# KiCad board kharon386_main.kicad_pcb (continued)
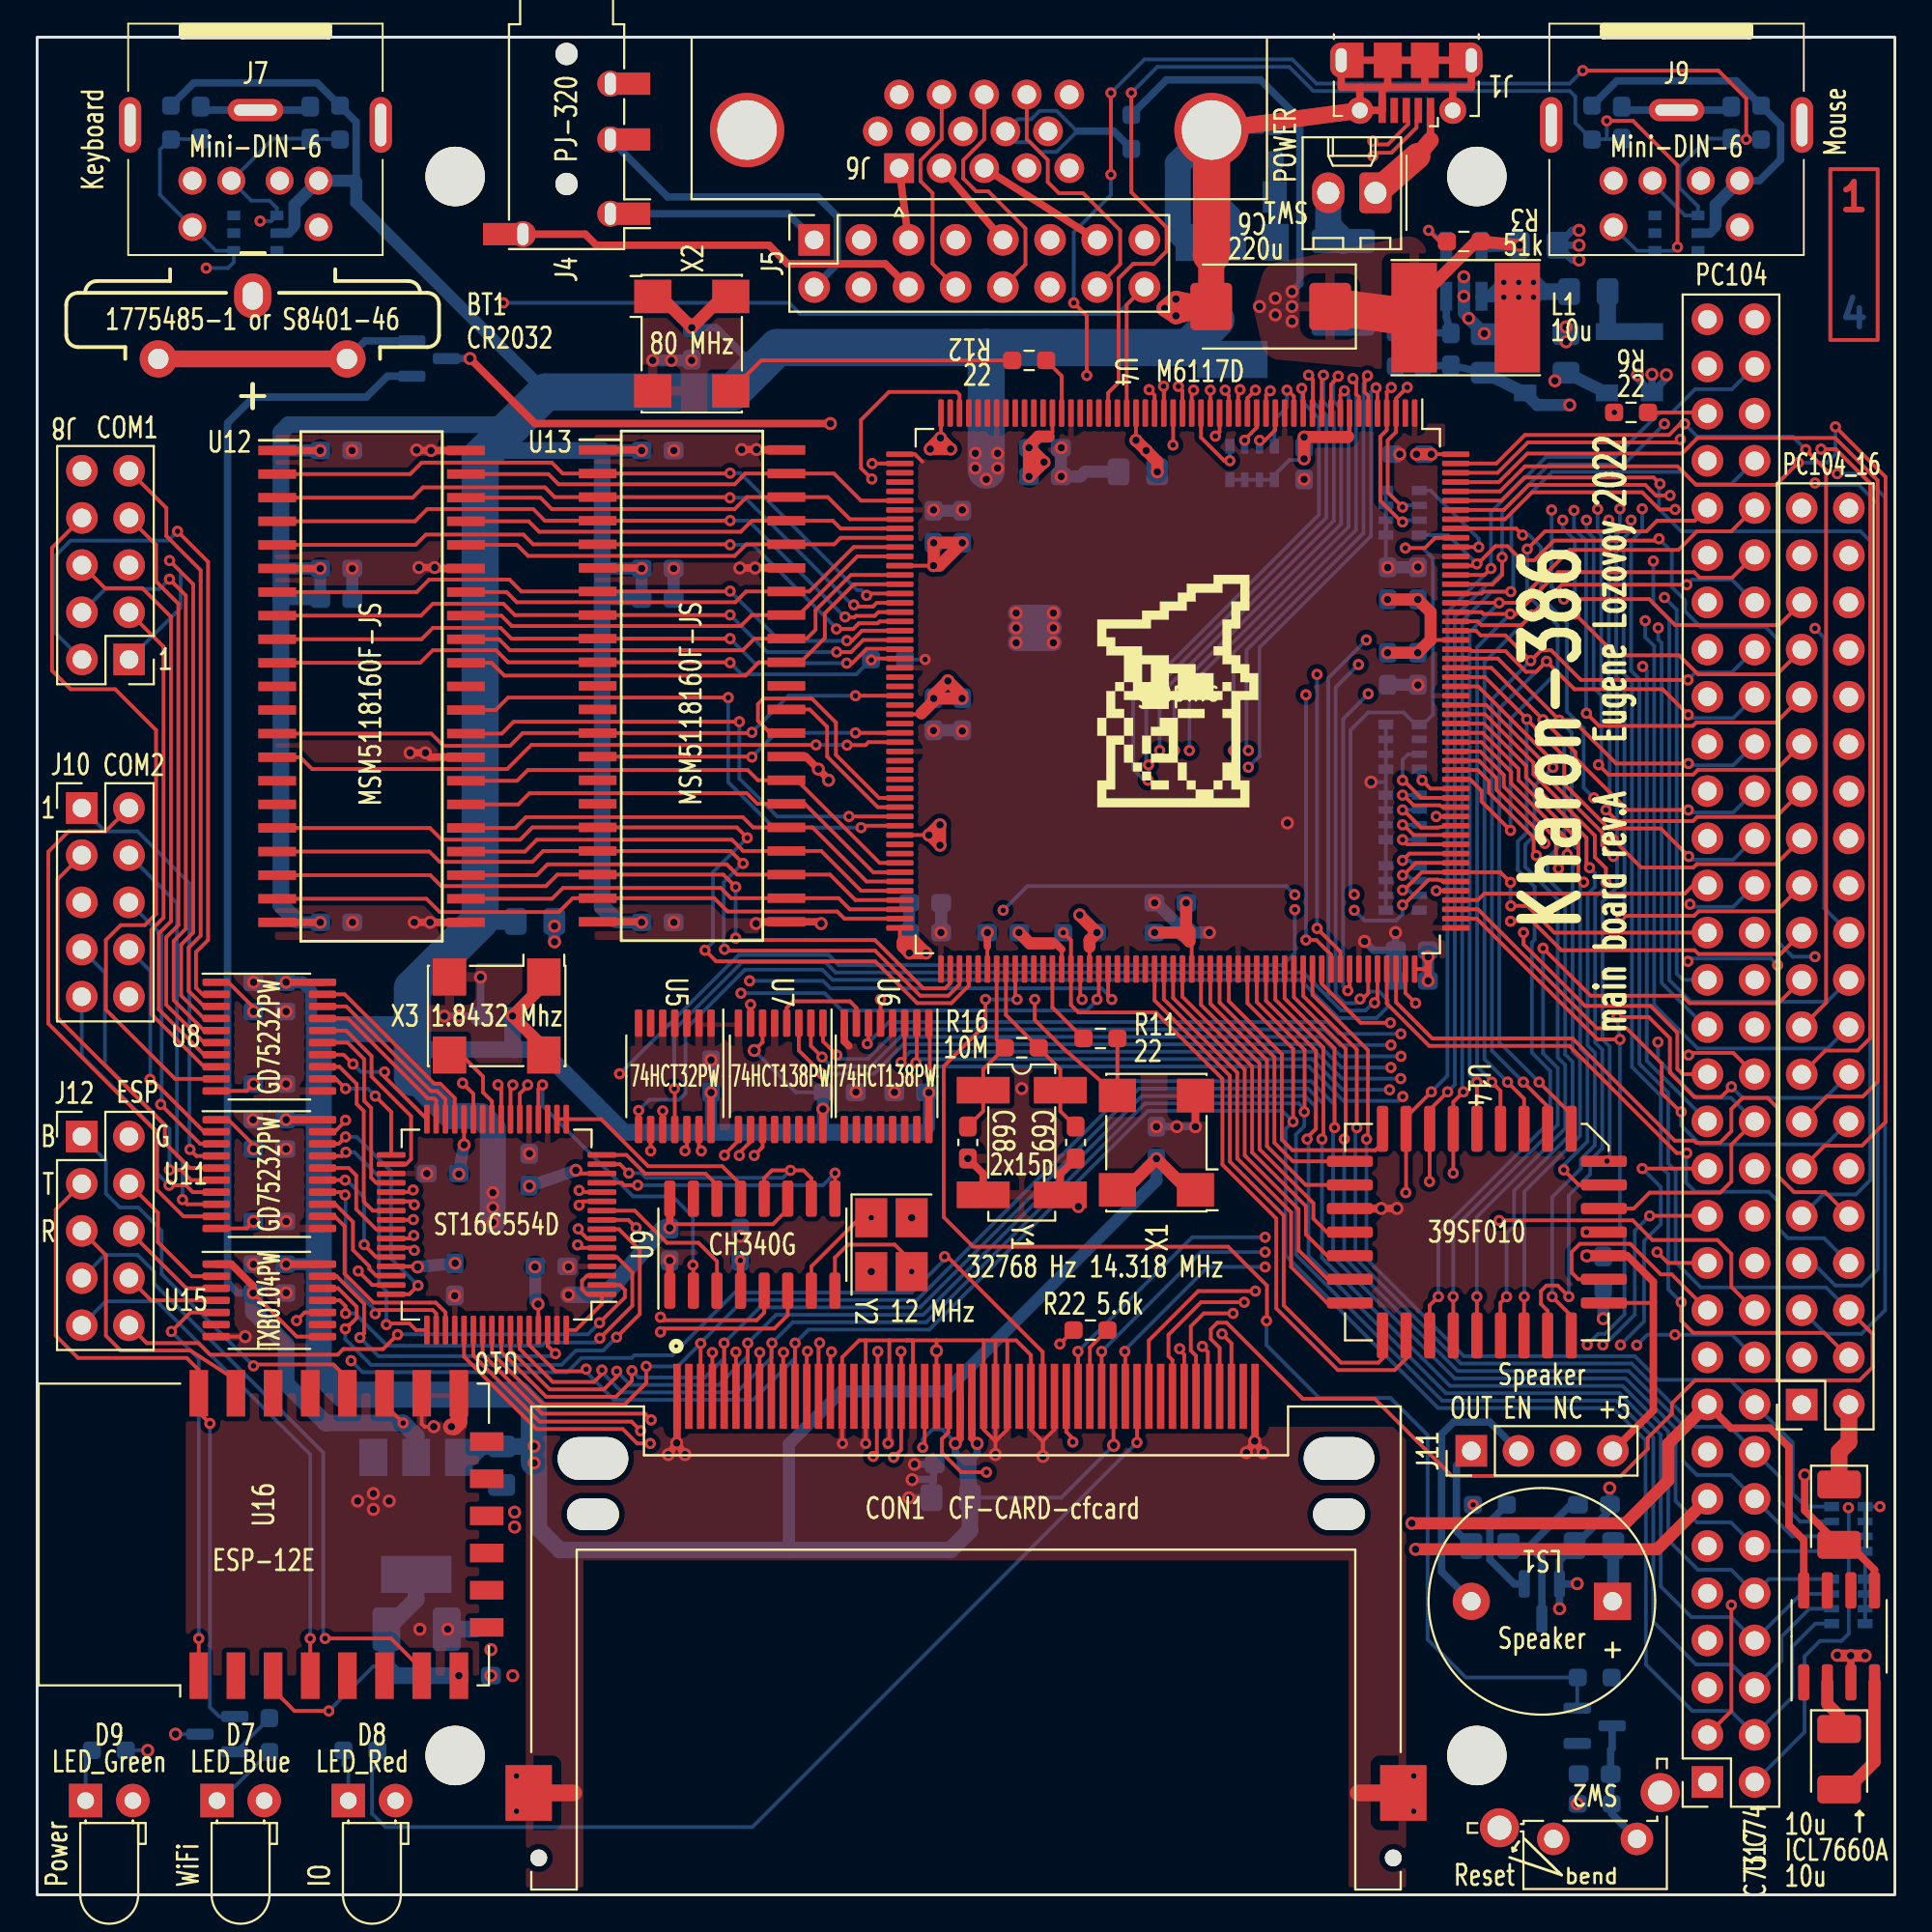
[diagram p0: board, top side]
## Footprints (pads in the part's own frame, mm; a bottom-side part is the same pattern mirrored in y, then rotated) (continued)
  rrect 2.475x0.6 smd: 5(-5.562,5.08) 6(-5.562,3.81) 7(-5.562,2.54) 8(-5.562,1.27) 9(-5.562,0) 10(-5.562,-1.27) 11(-5.562,-2.54) 12(-5.562,-3.81) 13(-5.562,-5.08) 21(5.562,-5.08) 22(5.562,-3.81) 23(5.562,-2.54) 24(5.562,-1.27) 25(5.562,0) 26(5.562,1.27) 27(5.562,2.54) 28(5.562,3.81) 29(5.562,5.08)
PQFP-208_28x28mm_P0.5mm
  rrect 1.475x0.3 smd: 1(-14.963,12.75) 2(-14.963,12.25) 3(-14.963,11.75) 4(-14.963,11.25) 5(-14.963,10.75) 6(-14.963,10.25) 7(-14.963,9.75) 8(-14.963,9.25) 9(-14.963,8.75) 10(-14.963,8.25) 11(-14.963,7.75) 12(-14.963,7.25) 13(-14.963,6.75) 14(-14.963,6.25) 15(-14.963,5.75) 16(-14.963,5.25) 17(-14.963,4.75) 18(-14.963,4.25) 19(-14.963,3.75) 20(-14.963,3.25) 21(-14.963,2.75) 22(-14.963,2.25) 23(-14.963,1.75) 24(-14.963,1.25) 25(-14.963,0.75) 26(-14.963,0.25) 27(-14.963,-0.25) 28(-14.963,-0.75) 29(-14.963,-1.25) 30(-14.963,-1.75) 31(-14.963,-2.25) 32(-14.963,-2.75) 33(-14.963,-3.25) 34(-14.963,-3.75) 35(-14.963,-4.25) 36(-14.963,-4.75) 37(-14.963,-5.25) 38(-14.963,-5.75) 39(-14.963,-6.25) 40(-14.963,-6.75) 41(-14.963,-7.25) 42(-14.963,-7.75) 43(-14.963,-8.25) 44(-14.963,-8.75) 45(-14.963,-9.25) 46(-14.963,-9.75) 47(-14.963,-10.25) 48(-14.963,-10.75) 49(-14.963,-11.25) 50(-14.963,-11.75) 51(-14.963,-12.25) 52(-14.963,-12.75) 105(14.963,-12.75) 106(14.963,-12.25) 107(14.963,-11.75) 108(14.963,-11.25) 109(14.963,-10.75) 110(14.963,-10.25) 111(14.963,-9.75) 112(14.963,-9.25) 113(14.963,-8.75) 114(14.963,-8.25) 115(14.963,-7.75) 116(14.963,-7.25) 117(14.963,-6.75) 118(14.963,-6.25) 119(14.963,-5.75) 120(14.963,-5.25) 121(14.963,-4.75) 122(14.963,-4.25) 123(14.963,-3.75) 124(14.963,-3.25) 125(14.963,-2.75) 126(14.963,-2.25) 127(14.963,-1.75) 128(14.963,-1.25) 129(14.963,-0.75) 130(14.963,-0.25) 131(14.963,0.25) 132(14.963,0.75) 133(14.963,1.25) 134(14.963,1.75) 135(14.963,2.25) 136(14.963,2.75) 137(14.963,3.25) 138(14.963,3.75) 139(14.963,4.25) 140(14.963,4.75) 141(14.963,5.25) 142(14.963,5.75) 143(14.963,6.25) 144(14.963,6.75) 145(14.963,7.25) 146(14.963,7.75) 147(14.963,8.25) 148(14.963,8.75) 149(14.963,9.25) 150(14.963,9.75) 151(14.963,10.25) 152(14.963,10.75) 153(14.963,11.25) 154(14.963,11.75) 155(14.963,12.25) 156(14.963,12.75)
  rrect 0.3x1.475 smd: 53(-12.75,-14.963) 54(-12.25,-14.963) 55(-11.75,-14.963) 56(-11.25,-14.963) 57(-10.75,-14.963) 58(-10.25,-14.963) 59(-9.75,-14.963) 60(-9.25,-14.963) 61(-8.75,-14.963) 62(-8.25,-14.963) 63(-7.75,-14.963) 64(-7.25,-14.963) 65(-6.75,-14.963) 66(-6.25,-14.963) 67(-5.75,-14.963) 68(-5.25,-14.963) 69(-4.75,-14.963) 70(-4.25,-14.963) 71(-3.75,-14.963) 72(-3.25,-14.963) 73(-2.75,-14.963) 74(-2.25,-14.963) 75(-1.75,-14.963) 76(-1.25,-14.963) 77(-0.75,-14.963) 78(-0.25,-14.963) 79(0.25,-14.963) 80(0.75,-14.963) 81(1.25,-14.963) 82(1.75,-14.963) 83(2.25,-14.963) 84(2.75,-14.963) 85(3.25,-14.963) 86(3.75,-14.963) 87(4.25,-14.963) 88(4.75,-14.963) 89(5.25,-14.963) 90(5.75,-14.963) 91(6.25,-14.963) 92(6.75,-14.963) 93(7.25,-14.963) 94(7.75,-14.963) 95(8.25,-14.963) 96(8.75,-14.963) 97(9.25,-14.963) 98(9.75,-14.963) 99(10.25,-14.963) 100(10.75,-14.963) 101(11.25,-14.963) 102(11.75,-14.963) 103(12.25,-14.963) 104(12.75,-14.963) 157(12.75,14.963) 158(12.25,14.963) 159(11.75,14.963) 160(11.25,14.963) 161(10.75,14.963) 162(10.25,14.963) 163(9.75,14.963) 164(9.25,14.963) 165(8.75,14.963) 166(8.25,14.963) 167(7.75,14.963) 168(7.25,14.963) 169(6.75,14.963) 170(6.25,14.963) 171(5.75,14.963) 172(5.25,14.963) 173(4.75,14.963) 174(4.25,14.963) 175(3.75,14.963) 176(3.25,14.963) 177(2.75,14.963) 178(2.25,14.963) 179(1.75,14.963) 180(1.25,14.963) 181(0.75,14.963) 182(0.25,14.963) 183(-0.25,14.963) 184(-0.75,14.963) 185(-1.25,14.963) 186(-1.75,14.963) 187(-2.25,14.963) 188(-2.75,14.963) 189(-3.25,14.963) 190(-3.75,14.963) 191(-4.25,14.963) 192(-4.75,14.963) 193(-5.25,14.963) 194(-5.75,14.963) 195(-6.25,14.963) 196(-6.75,14.963) 197(-7.25,14.963) 198(-7.75,14.963) 199(-8.25,14.963) 200(-8.75,14.963) 201(-9.25,14.963) 202(-9.75,14.963) 203(-10.25,14.963) 204(-10.75,14.963) 205(-11.25,14.963) 206(-11.75,14.963) 207(-12.25,14.963) 208(-12.75,14.963)
R_0603_1608Metric_Pad0.98x0.95mm_HandSolder
  rrect 0.975x0.95 smd: 1(-0.912,0) 2(0.912,0)
R_0805_2012Metric_Pad1.20x1.40mm_HandSolder
  rrect 1.2x1.4 smd: 1(-1,0) 2(1,0)
R_Array_Convex_4x0603
  rect 0.8x0.5 smd: 1(-0.9,1.2) 4(-0.9,-1.2) 5(0.9,-1.2) 8(0.9,1.2)
  rect 0.8x0.4 smd: 2(-0.9,0.4) 3(-0.9,-0.4) 6(0.9,-0.4) 7(0.9,0.4)
SOIC-8_3.9x4.9mm_P1.27mm
  rrect 1.95x0.6 smd: 1(-2.475,1.905) 2(-2.475,0.635) 3(-2.475,-0.635) 4(-2.475,-1.905) 5(2.475,-1.905) 6(2.475,-0.635) 7(2.475,0.635) 8(2.475,1.905)
SOIC-16_3.9x9.9mm_P1.27mm
  rrect 1.95x0.6 smd: 1(-2.475,4.445) 2(-2.475,3.175) 3(-2.475,1.905) 4(-2.475,0.635) 5(-2.475,-0.635) 6(-2.475,-1.905) 7(-2.475,-3.175) 8(-2.475,-4.445) 9(2.475,-4.445) 10(2.475,-3.175) 11(2.475,-1.905) 12(2.475,-0.635) 13(2.475,0.635) 14(2.475,1.905) 15(2.475,3.175) 16(2.475,4.445)
SOJ-42
  rect 2.032x0.508 smd: 1(-5.03,13.65) 2(-5.03,12.38) 3(-5.03,11.11) 4(-5.03,9.84) 5(-5.03,8.57) 6(-5.03,7.3) 7(-5.03,6.03) 8(-5.03,4.76) 9(-5.03,3.49) 10(-5.03,2.22) 11(-5.03,0.95) 12(-5.03,-0.32) 13(-5.03,-1.59) 14(-5.03,-2.86) 15(-5.03,-4.13) 16(-5.03,-5.4) 17(-5.03,-6.67) 18(-5.03,-7.94) 19(-5.03,-9.21) 20(-5.03,-10.48) 21(-5.03,-11.75) 22(5.13,-11.75) 23(5.13,-10.48) 24(5.13,-9.21) 25(5.13,-7.94) 26(5.13,-6.67) 27(5.13,-5.4) 28(5.13,-4.13) 29(5.13,-2.86) 30(5.13,-1.59) 31(5.13,-0.32) 32(5.13,0.95) 33(5.13,2.22) 34(5.13,3.49) 35(5.13,4.76) 36(5.13,6.03) 37(5.13,7.3) 38(5.13,8.57) 39(5.13,9.84) 40(5.13,11.11) 41(5.13,12.38) 42(5.13,13.65)
SOT-23
  rrect 1.475x0.6 smd: 1(-0.938,0.95) 2(-0.938,-0.95) 3(0.938,0)
SOT-23-5_HandSoldering
  rect 1.56x0.65 smd: 1(-1.35,0.95) 2(-1.35,0) 3(-1.35,-0.95) 4(1.35,-0.95) 5(1.35,0.95)
SOT-223-3_TabPin2
  rect 2x1.5 smd: 1(-3.15,2.3) 2(-3.15,0) 3(-3.15,-2.3)
  rect 2x3.8 smd: 2(3.15,0)
SW_Tactile_SPST_Angled_PTS645Vx83-2LFS
  round 2.1 hole 1.3: (-1.25,-2.49) (7.4,-0.6)
  round 1.75 hole 0.99: 1(0,0) 2(4.5,0)
TE_1734451-1-LONG
  round 0.9 hole 0.9 unplated: (-23,-24.85) (23,-24.85)
  oval 3.8x2.3 hole 3.8x2.3 unplated: (-20.08,-3.35) (20.08,-3.35)
  oval 2.8x1.7 hole 2.8x1.7 unplated: (-20.08,-6.35) (20.08,-6.35)
  rect 0.4x3.5 smd: 1(-15.557,0) 2(-14.287,0) 3(-13.018,0) 4(-11.748,0) 5(-10.477,0) 6(-9.207,0) 7(-7.938,0) 8(-6.668,0) 9(-5.397,0) 10(-4.128,0) 11(-2.857,0) 12(-1.587,0) 13(-0.318,0) 14(0.953,0) 15(2.223,0) 16(3.493,0) 17(4.763,0) 18(6.032,0) 19(7.303,0) 20(8.572,0) 21(9.842,0) 22(11.113,0) 23(12.383,0) 24(13.652,0) 25(14.922,0) 26(-14.922,0) 27(-13.652,0) 28(-12.383,0) 29(-11.113,0) 30(-9.842,0) 31(-8.572,0) 32(-7.303,0) 33(-6.032,0) 34(-4.763,0) 35(-3.493,0) 36(-2.223,0) 37(-0.953,0) 38(0.318,0) 39(1.587,0) 40(2.857,0) 41(4.128,0) 42(5.397,0) 43(6.668,0) 44(7.938,0) 45(9.207,0) 46(10.477,0) 47(11.748,0) 48(13.018,0) 49(14.287,0) 50(15.557,0)
  rect 2.5x3 smd: S1(-23.54,-21.35) S2(23.54,-21.35)
TSOP-6_1.65x3.05mm_P0.95mm
  rect 0.7x0.51 smd: 1(-1.16,0.95) 2(-1.16,0) 3(-1.16,-0.95) 4(1.16,-0.95) 5(1.16,0) 6(1.16,0.95)
TSSOP-14_4.4x5mm_P0.65mm
  rrect 1.475x0.4 smd: 1(-2.862,1.95) 2(-2.862,1.3) 3(-2.862,0.65) 4(-2.862,0) 5(-2.862,-0.65) 6(-2.862,-1.3) 7(-2.862,-1.95) 8(2.862,-1.95) 9(2.862,-1.3) 10(2.862,-0.65) 11(2.862,0) 12(2.862,0.65) 13(2.862,1.3) 14(2.862,1.95)
TSSOP-16_4.4x5mm_P0.65mm
  rrect 1.475x0.4 smd: 1(-2.862,2.275) 2(-2.862,1.625) 3(-2.862,0.975) 4(-2.862,0.325) 5(-2.862,-0.325) 6(-2.862,-0.975) 7(-2.862,-1.625) 8(-2.862,-2.275) 9(2.862,-2.275) 10(2.862,-1.625) 11(2.862,-0.975) 12(2.862,-0.325) 13(2.862,0.325) 14(2.862,0.975) 15(2.862,1.625) 16(2.862,2.275)
TSSOP-20_4.4x6.5mm_P0.65mm
  rrect 1.475x0.4 smd: 1(-2.862,2.925) 2(-2.862,2.275) 3(-2.862,1.625) 4(-2.862,0.975) 5(-2.862,0.325) 6(-2.862,-0.325) 7(-2.862,-0.975) 8(-2.862,-1.625) 9(-2.862,-2.275) 10(-2.862,-2.925) 11(2.862,-2.925) 12(2.862,-2.275) 13(2.862,-1.625) 14(2.862,-0.975) 15(2.862,-0.325) 16(2.862,0.325) 17(2.862,0.975) 18(2.862,1.625) 19(2.862,2.275) 20(2.862,2.925)
USB_Micro-B_Molex-105017-0001
  rect 0.4x1.35 smd: 1(-1.3,1.462) 2(-0.65,1.462) 3(0,1.462) 4(0.65,1.462) 5(1.3,1.462)
  oval 1.2x1.9 hole 0.6x1.3: 6(-3.5,-1.238) 6(3.5,-1.238)
  rect 1.2x1.9 smd: 6(-2.9,-1.238) 6(2.9,-1.238)
  round 1.45 hole 0.85: 6(-2.5,1.462) 6(2.5,1.462)
  rect 1.5x1.9 smd: 6(-1,-1.238) 6(1,-1.238)

## Nets
+3V3: C2.1 C46.2 C47.2 D2.1 U1.2 U15.1 U15.8 U16.3 U16.8 U16.17
+5V: C1.2 C4.2 C6.1 C10.2 C11.2 C12.2 C13.2 C14.2 C15.2 C16.2 C17.2 C18.2 C19.2 C20.2 C21.2 C22.2 C23.2 C24.2 C25.2 C26.2 C27.2 C28.2 C29.2 C30.2 C31.2 C32.2 C33.2 C34.1 C36.1 C37.1 C38.1 C39.1 C40.1 C41.1 C48.2 C49.2 C50.2 C51.2 C52.2 C53.2 C54.1 C55.1 C56.1 C57.1 C58.1 C59.1 C60.1 C61.1 C62.1 CON1.13 CON1.36 CON1.38 CON1.44 D3.1 D4.2 D7.2 D8.2 D9.2 F1.1 J2.34 J3.5 J3.57 J7.4 J9.4 J11.4 L1.1 LS1.1 R2.1 R3.1 R7.1 R8.1 R9.1 R10.1 R14.1 R15.1 RN1.5 RN1.6 RN1.7 RN1.8 RN2.5 RN2.6 RN2.7 RN2.8 RN3.5 RN3.6 RN3.7 RN3.8 RN4.5 RN4.6 RN4.7 RN4.8 RN5.5 RN5.6 RN5.7 RN5.8 RN7.5 RN7.6 RN7.7 RN7.8 U1.3 U2.5 U4.1 U4.15 U4.38 U4.46 U4.53 U4.59 U4.76 U4.85 U4.105 U4.125 U4.137 U4.150 U4.157 U4.182 U4.197 U5.14 U6.16 U7.6 U7.16 U8.20 U9.11 U9.16 U10.4 U10.19 U10.21 U10.35 U10.52 U10.63 U11.20 U12.1 U12.6 U12.21 U13.1 U13.6 U13.21 U14.1 U14.30 U14.32 U15.14 U18.5 U19.5 X1.1 X1.4 X2.1 X2.4 X3.1 X3.4
+12V: C3.1 C5.2 C42.2 C43.2 D1.1 J3.17 R1.1 U8.1 U11.1 U17.8
-12V: C9.1 C44.2 C45.2 C74.2 D6.2 J3.13 U8.10 U11.10 U17.5
GND: BT1.2 C1.1 C2.2 C4.1 C5.1 C6.2 C7.2 C9.2 C10.1 C11.1 C12.1 C13.1 C14.1 C15.1 C16.1 C17.1 C18.1 C19.1 C20.1 C21.1 C22.1 C23.1 C24.1 C25.1 C26.1 C27.1 C28.1 C29.1 C30.1 C31.1 C32.1 C33.1 C34.2 C35.2 C36.2 C37.2 C38.2 C39.2 C40.2 C41.2 C42.1 C43.1 C44.1 C45.1 C46.1 C47.1 C48.1 C49.1 C50.1 C51.1 C52.1 C53.1 C54.2 C55.2 C56.2 C57.2 C58.2 C59.2 C60.2 C61.2 C62.2 C63.2 C64.2 C65.2 C66.2 C67.1 C68.2 C69.2 C70.2 C71.2 C72.2 C74.1 CON1.1 CON1.8 CON1.9 CON1.10 CON1.11 CON1.12 CON1.14 CON1.15 CON1.16 CON1.17 CON1.39 CON1.50 CON1.S1 CON1.S2 D4.1 D5.1 J1.5 J1.6 J2.1 J2.2 J2.38 J2.40 J3.1 J3.61 J3.63 J3.64 J4.R2 J5.3 J5.4 J5.7 J5.11 J5.12 J6.0 J6.5 J6.6 J6.7 J6.8 J6.10 J7.0 J7.3 J8.5 J9.0 J9.3 J10.5 J12.2 Q1.3 Q2.2 R4.2 R5.1 R13.1 R19.2 R22.2 R23.2 RN6.1 RN6.2 RN6.3 RN6.4 SW2.2 U1.1 U2.2 U3.1 U4.8 U4.31 U4.40 U4.52 U4.65 U4.81 U4.94 U4.104 U4.118 U4.121 U4.132 U4.156 U4.161 U4.169 U4.188 U4.208 U5.1 U5.2 U5.4 U5.5 U5.7 U6.4 U6.8 U7.5 U7.8 U8.11 U9.1 U10.14 U10.28 U10.45 U10.61 U11.11 U12.22 U12.29 U12.37 U12.42 U13.22 U13.29 U13.37 U13.42 U14.16 U15.7 U16.15 U16.16 U17.3 U18.2 U19.2 X1.2 X2.2 X3.2 Y1.2 Y1.3 Y2.2 Y2.4
+BATT: C7.1 D2.3 U4.110
/0x2E8: U7.11 U10.7
/0x2F8: U7.9 U10.42
/0x3E8: U7.10 U10.11
/0x3F8: U7.7 U10.38
/14MHz: R6.2 R11.2 X1.3
/AEN: J3.22 RN3.1 U4.199 U6.5
/BALE: J3.55 U4.173
/BD0: R2.2 U4.75 U12.10 U13.10
/BD1: U4.74 U12.9 U13.9
/BD2: U4.73 U12.8 U13.8
/BD3: U4.72 U12.7 U13.7
/BD4: U4.71 U12.5 U13.5
/BD5: U4.70 U12.4 U13.4
/BD6: U4.69 U12.3 U13.3
/BD7: U4.68 U12.2 U13.2
/BD8: U4.67 U12.33 U13.33
/BD9: U4.66 U12.34 U13.34
/BD10: U4.64 U12.35 U13.35
/BD11: U4.63 U12.36 U13.36
/BD12: U4.62 U12.38 U13.38
/BD13: U4.61 U12.39 U13.39
/BD14: U4.60 U12.40 U13.40
/BD15: U4.58 U12.41 U13.41
/CAS0J0: U4.93 U12.31
/CAS0J1: U4.92 U12.30
/CAS1J0: U4.91 U13.31
/CAS1J1: U4.90 U13.30
/CD_COM1: U8.17 U10.31
/CD_COM2: U10.49 U11.17
/CLK2: R12.2 X2.3
/CTS1: J8.8 U8.9
/CTS2: J10.8 U11.2
/CTS_COM1: U8.12 U10.33
/CTS_COM2: U10.47 U11.19
/CTS_ESP: J12.10 U10.2
/CTS_USB: U9.14 U10.16
/DACK0: J2.18 RN6.7 U4.16
/DACK1: J3.33 RN6.6 U4.18
/DACK2: J3.51 U4.20
/DACK3: J3.29 U4.22
/DACK5: J2.22 RN6.5 U4.24
/DACK6: J2.26 U4.26
/DACK7: J2.30 U4.28
/DCD1: J8.1 U8.4
/DCD2: J10.1 U11.4
/DRQ0: J2.20 U4.17
/DRQ1: J3.35 U4.19
/DRQ2: J3.11 U4.21
/DRQ3: J3.31 U4.23
/DRQ5: J2.24 U4.25
/DRQ6: J2.28 U4.27
/DRQ7: J2.32 U4.29
/DSR1: J8.6 U8.7
/DSR2: J10.6 U11.3
/DSR_COM1: U8.14 U10.32
/DSR_COM2: U10.48 U11.18
/DSR_USB: U9.13 U10.17 U10.18
/DTR1: J8.4 U8.5
/DTR2: J10.4 U11.8
/DTR_COM1: U8.16 U10.34
/DTR_COM2: U10.46 U11.13
/DTR_USB: U9.10 U9.12 U10.15
/ESP_BOOT: J12.1 U16.18
/ESP_CTS: J12.7 U16.7
/ESP_RST: U15.5 U16.1
/ESP_RTS: J12.9 U16.4
/ESP_RX: J12.5 U16.21
/ESP_TX: J12.3 Q1.1 U16.22
/HDCS0: CON1.7 U4.50
/HDCS1: CON1.32 U4.54
/IOCHK: J3.2 RN5.4 U4.196
/IOCHRDY: CON1.42 J3.20 RN4.2 U4.164
/IOCS16: CON1.24 J2.6 RN5.2 U4.3
/IOR: CON1.34 J3.27 RN7.4 U4.166 U10.40
/IOW: CON1.35 J3.25 RN7.3 U4.167 U10.9
/IRQ3: J3.49 U4.152 U5.11
/IRQ4: J3.47 U4.151 U5.8
/IRQ5: J3.45 U4.149
/IRQ6: J3.43 U4.148
/IRQ7: J3.41 U4.147
/IRQ9: J3.7 U4.146
/IRQ10: J2.8 U4.153
/IRQ11: J2.10 U4.154
/IRQ14: CON1.37 J2.16 U4.158
/IRQ15: J2.14 U4.159
/KBCLK: C64.1 J7.5 R10.2 U4.122 U18.1
/KBDAT: C63.1 J7.1 R9.2 U4.123 U18.4
/KBSJ: R13.2 U4.119 U14.22
/LA17: J2.17 U4.207
/LA18: J2.15 U4.206
/LA19: J2.13 U4.205
/LA20: J2.11 U4.204
/LA21: J2.9 U4.203
/LA22: J2.7 U4.202
/LA23: J2.5 U4.201
/MA0: U4.108 U12.17 U13.17
/MA1: U4.107 U12.18 U13.18
/MA2: U4.106 U12.19 U13.19
/MA3: U4.103 U12.20 U13.20
/MA4: U4.102 U12.23 U13.23
/MA5: U4.101 U12.24 U13.24
/MA6: U4.100 U12.25 U13.25
/MA7: U4.99 U12.26 U13.26
/MA8: U4.98 U12.27 U13.27
/MA9: U4.97 U12.28 U13.28
/MASTER: J2.36 RN5.1 U4.198
/MEMCS16: J2.4 RN5.3 U4.4
/MEMR: J2.19 RN3.3 U4.171 U14.24
/MEMW: J2.21 RN3.4 U4.172
/MSCLK: C66.1 J9.5 R15.2 U4.34 U19.1
/MSDAT: C65.1 J9.1 R14.2 U4.155 U19.4
/NOWS: J3.15 RN4.1 U4.165
/PWG: R23.1 U3.2 U4.113
/RASJ0: U4.84 U12.14
/RASJ1: U4.83 U13.14
/REFRESH: J3.37 RN4.3 U4.163
/RESETL: CON1.41 U4.120 U15.10
/RI1: J8.9 U8.3
/RI2: J10.9 U11.7
/RI_COM1: U8.18 U10.30
/RI_COM2: U10.50 U11.14
/RSTDRV: J3.3 U4.162 U10.27
/RTS1: J8.7 U8.6
/RTS2: J10.7 U11.6
/RTS_COM1: U8.15 U10.36
/RTS_COM2: U10.44 U11.15
/RTS_ESP: U10.5 U15.11
/RTS_USB: U9.9 U10.13
/RX1: J8.2 U8.2
/RX2: J10.2 U11.9
/RX_COM1: U8.19 U10.29
/RX_COM2: U10.51 U11.12
/RX_ESP: U10.62 U15.13
/RX_USB: U9.2 U10.20
/SA0: CON1.20 J3.62 U4.195 U10.24 U14.12
/SA1: CON1.19 J3.60 U4.194 U10.23 U14.11
/SA2: CON1.18 J3.58 U4.193 U10.22 U14.10
/SA3: J3.56 U4.192 U7.3 U14.9
/SA4: J3.54 U4.191 U7.2 U14.8
/SA5: J3.52 U4.190 U6.6 U14.7
/SA6: J3.50 U4.189 U6.1 U14.6
/SA7: J3.48 U4.187 U6.2 U14.5
/SA8: J3.46 U4.186 U7.1 U14.27
/SA9: J3.44 U4.185 U6.3 U14.26
/SA10: J3.42 U4.184 U14.23
/SA11: J3.40 U4.183 U14.25
/SA12: J3.38 U4.181 U14.4
/SA13: J3.36 U4.180 U14.28
/SA14: J3.34 U4.179 U14.29
/SA15: J3.32 U4.178 U14.3
/SA16: J3.30 U4.177 U14.2
/SA17: J3.28 U4.176
/SA18: J3.26 U4.175
/SA19: J3.24 U4.174
/SBHE: J2.3 U4.200
/SD0: CON1.21 J3.18 RN2.4 U4.145 U10.53
/SD1: CON1.22 J3.16 RN2.3 U4.144 U10.54
/SD2: CON1.23 J3.14 RN2.2 U4.143 U10.55
/SD3: CON1.2 J3.12 RN2.1 U4.142 U10.56
/SD4: CON1.3 J3.10 RN1.4 U4.141 U10.57
/SD5: CON1.4 J3.8 RN1.3 U4.140 U10.58
/SD6: CON1.5 J3.6 RN1.2 U4.139 U10.59
/SD7: CON1.6 J3.4 RN1.1 U4.138 U10.60
/SD8: CON1.47 J2.23 U4.5
/SD9: CON1.48 J2.25 U4.6
/SD10: CON1.49 J2.27 U4.7
/SD11: CON1.27 J2.29 U4.9
/SD12: CON1.28 J2.31 U4.10
/SD13: CON1.29 J2.33 U4.11
/SD14: CON1.30 J2.35 U4.12
/SD15: CON1.31 J2.37 U4.13
/SMEMR: J3.23 RN7.2 U4.168
/SMEMW: J3.21 RN7.1 U4.170 U14.31
/SND_L: J4.T J5.1
/SND_R: J4.R1 J5.2
/SPKR: J5.16 R21.1 U4.32
/SYSCLK: J3.39 U4.160
/TC: J3.53 RN6.8 U4.14
/TX1: J8.3 U8.8
/TX2: J10.3 U11.5
/TX_COM1: U8.13 U10.39
/TX_COM2: U10.41 U11.16
/TX_ESP: U10.8 U15.12
/TX_USB: U9.3 U10.10
/UART_INTA: U5.9 U10.6
/UART_INTB: U5.12 U10.12
/UART_INTC: U5.10 U10.37
/UART_INTD: U5.13 U10.43
/USB_DN: J1.2 U9.6
/USB_DP: J1.3 U9.5
/VGA_B: J5.13 J6.3
/VGA_G: J5.9 J6.2
/VGA_HS: J5.10 J6.13
/VGA_MON: J5.8 J6.12
/VGA_R: J5.5 J6.1
/VGA_VS: J5.14 J6.14
/WEJ: U4.79 U12.13 U13.13
/XD0: U4.136 U14.13
/XD1: U4.135 U14.14
/XD2: U4.134 U14.15
/XD3: U4.133 U14.17
/XD4: U4.131 U14.18
/XD5: U4.130 U14.19
/XD6: U4.129 U14.20
/XD7: U4.128 U14.21
/~{CF_BUSY}: CON1.45 R18.2
Net-(BT1-Pad1): BT1.1 D2.2
Net-(C3-Pad2): C3.2 R1.2 R5.2 U2.3
Net-(C8-Pad1): C8.1 D1.2 L1.2 U2.1
Net-(C8-Pad2): C8.2 D5.2 D6.1
Net-(C35-Pad1): C35.1 R7.2 SW2.1 U3.3
Net-(C67-Pad2): C67.2 U9.4
Net-(C68-Pad1): C68.1 R16.1 U4.111 Y1.1
Net-(C69-Pad1): C69.1 R16.2 U4.112 Y1.4
Net-(C70-Pad1): C70.1 U9.8 Y2.3
Net-(C71-Pad1): C71.1 U9.7 Y2.1
Net-(C72-Pad1): C72.1 Q2.3 R20.2
Net-(C73-Pad1): C73.1 U17.2
Net-(C73-Pad2): C73.2 U17.4
Net-(CON1-Pad43): CON1.43 R22.1
Net-(D3-Pad2): D3.2 D4.3 R4.1
Net-(D7-Pad1): D7.1 R17.1
Net-(D8-Pad1): D8.1 R18.1
Net-(D9-Pad1): D9.1 R19.1
Net-(F1-Pad2): F1.2 SW1.2
Net-(J1-Pad1): J1.1 SW1.1
Net-(J3-Pad59): J3.59 R6.1
Net-(J4-PadS): J4.S J5.6
Net-(J6-Pad9): J6.9 R8.2
Net-(J11-Pad1): J11.1 R20.1
Net-(J11-Pad2): J11.2 LS1.2
Net-(J12-Pad4): J12.4 U15.2
Net-(J12-Pad6): J12.6 U15.3
Net-(J12-Pad8): J12.8 U15.4
Net-(Q1-Pad2): Q1.2 R17.2
Net-(Q2-Pad1): Q2.1 R21.2
Net-(R3-Pad2): R3.2 U2.4
Net-(R11-Pad1): R11.1 U4.117
Net-(R12-Pad1): R12.1 U4.39
Net-(U6-Pad7): U6.7 U7.4
Net-(U10-Pad1): U10.1 U10.3 U10.64
Net-(U10-Pad25): U10.25 X3.3

Pads without a net: CON1 25 26 33 40 46; J1 4; J2 12 39; J3 9 19; J5 15; J6 4 11 15; J7 2 6; J8 10; J9 2 6; J10 10; J11 3; RN3 2; RN4 4; U4 2 30 33 35 36 37 41 42 43 44 45 47 48 49 51 55 56 57 77 78 80 82 86 87 88 89 95 96 109 114 115 116 124 126 127; U5 3 6; U6 9 10 11 12 13 14 15; U7 12 13 14 15; U9 15; U10 26; U12 11 12 15 16 32; U13 11 12 15 16 32; U15 6 9; U16 2 5 6 9 10 11 12 13 14 19 20; U17 1 6 7; U18 3 6; U19 3 6

## Via types
v1: diameter 0.7, hole 0.4, Top to Bottom, 228 vias
v2: diameter 0.6, hole 0.3, Top to Bottom, 399 vias

## Routing (per net, layer and track width the routed paths; a pad name or vN(x,y) marks a point on that pad's centre or on a via; arc(x,y) is an arc through that point)
+3V3: length 102
  Top w0.2: v1(11.62,32.4) 13.97,30.05 U15.8 ; U16.3 12.7,11.05 13.85,9.9 v2(15.7,9.9) ; v2(19.7,25.4) 18.7,26.4 U16.17 ; U15.1 10.29,33.95
  Top w0.4: U15.1 10.45,33.95 11.62,32.77 v1(11.62,32.4)
  Bottom w0.2: v2(15.7,9.9) 18.1,12.3 18.8,12.3
  Bottom w0.4: D2.1 18.85,81.75 17.72,80.62 11.65,80.62 10.25,79.22 10.25,32.95 10.8,32.4 v1(11.62,32.4)
  Bottom w0.9: v1(22.7,11.8) 19.3,11.8 18.8,12.3 C2.1 20.4,15.9 U1.2 ; C47.2 11.64,31.39 13.4,29.62 13.4,27.52 15.52,25.4 v2(19.7,25.4) 20.4,24.7 U1.2
+5V: length 876.1
  Top w0.2: v2(83.4,35.67) U14.1 ; CON1.36 47.78,24.2 v2(47.67,24.09) ; CON1.44 57.94,24.21 v1(57.95,24.2) ; 47.65,77.15 47.25,77.55 U4.53 ; U7.6 39.05,45.9 v1(38.6,45.45) ; 87,31.9 86.97,31.86 U14.30 ; U9.11 40.41,36.91 39.6,36.1 34.25,36.1 v1(34.05,35.9) ; 20.97,38.83 v1(20.97,38.82)
  Top w0.4: v1(32.54,71.4) 32.51,71.43 U13.6 ; U15.14 v1(13.4,33.95) ; U8.20 v1(13.4,49.12) ; 36.28,41.2 v1(36.28,43.19) ; X1.1 61.93,37.95 ; J11.4 87,26.08 87,33 85.59,34.41 U14.32 84.33,34.39 v1(83.42,34.39) ; U6.16 v1(48,43.19) ; v1(50.6,24.3) 50.32,24.58 CON1.38 ; X2.4 36.91,86.04 ; X1.4 58.57,37.95 ; v1(32.54,52.35) 32.51,52.38 U13.21 ; v1(34.05,35.9) 34.06,35.9 U9.16 ; U12.1 v1(15.24,77.75) ; U12.6 v1(15.24,71.4) ; U12.21 v1(15.24,52.35) ; 27.55,49.56 27.55,49.15 ; U7.16 v1(42.3,42.3) ; U13.1 32.51,77.78 v1(32.54,77.75) ; X3.4 27.27,45.62 ; X2.1 33.56,86.04 ; CON1.13 49.68,24.56 v1(49.42,24.3) ; U11.20 v1(13.4,41.72)
  Top w0.65: 36.91,86.04 v1(35.24,84.36) 33.56,86.04 ; 58.57,37.95 v1(60.25,39.63) 61.93,37.95 ; 27.27,45.62 v1(25.58,47.31) 27.27,49 ; v1(79.8,88.8) R3.1 77.46,89 74.12,85.66 L1.1
  Top w2: C6.1 L1.1
  In2.Cu w0.4: 16.4,1 16.29,1 D7.2 ; 16.4,1 23.5,1 ; 16.4,1 9.22,1 D9.2 ; 23.5,1 83,1 84,2 84,3.8 v1(82.9,4.9) 82.9,7.9 86.16,11.16 86.64,11.16 ; 23.5,1 23.36,1 D8.2 ; 86.64,11.16 86.6,11.2 86.6,16.1 ; 86.64,11.16 88.44,11.16 ; LS1.1 86.6,15.8 86.6,16.1 ; 86.6,16.1 86.6,23.6 86.3,23.9 J11.4 ; 94,10.7 94,12.4 91.8,12.4 91.8,12.4 91.16,12.4 J3.5 91.16,9.9 93.2,9.9 94,10.7
  In2.Cu w0.9: 94,12.4 99.2,17.6 99.2,68.7 ; J3.57 87.7,77.19 86,78.9 86,80.4 84.9,81.5 84.9,83.5 89.89,88.49 89.89,90.51 J9.4 ; J9.4 95.3,88.62 95.3,83.55 99.2,79.65 99.2,68.7 ; J9.4 89.62,94.3 83.68,94.3 78.58,89.2 77.4,89.2 73.7,85.5 v1(67.55,85.5) ; J3.5 88.44,11.16 ; 99.2,68.7 99.2,67.03 J2.34
  Bottom w0.2: C40.1 20.97,38.82 v1(20.97,38.82) ; v1(72.7,71.45) 72.6,71.55 72.6,74.4 ; RN4.5 RN4.8 RN7.5 RN7.8 72.6,59.9 ; C59.1 55.12,21.38 v1(57.95,24.2) ; C16.2 74.32,65.13 v1(74.32,65.12) ; v1(38.6,45.45) 40.85,43.2 42.31,43.2 42.3,43.18 v1(42.3,42.3) ; v1(74.32,71.47) 74.32,71.47 C17.2 ; RN3.8 RN3.5 72.6,59.9 ; v2(47.67,24.09) 47.67,24.53 48.19,25.05 48.73,25.05 49.42,24.35 v1(49.42,24.3) ; RN1.8 RN2.5 v2(99.2,20.9) ; R2.1 v2(47.8,66.5) ; 72.6,59.9 v1(71.8,59.9) ; RN5.8 RN5.5
  Bottom w0.4: v1(67.55,86.3) 67.97,86.72 67.97,95.57 65.85,97.7 60.79,97.7 R8.1 ; v1(34.05,35.9) C34.1 ; v1(49.42,24.3) 49.42,23.79 C33.2 50.6,23.74 v1(50.6,24.3) ; v1(71.45,51.32) 71.92,50.85 C12.2 73.12,50.86 v1(73.12,51.8) ; R10.1 8.43,97.54 15.07,97.54 R9.1 17.17,95.44 17.17,92.23 17.12,92.27 ; 84.27,34.39 C25.2 ; v1(35.24,84.36) 36.54,84.36 38.72,82.18 ; R15.1 85.04,97.65 91.46,97.65 R14.1 93.85,95.26 93.85,93.41 92.71,92.27 J9.4 ; 84.84,15.84 LS1.1 ; R7.1 v1(82.9,4.9)
  Bottom w0.5: U18.5 13.54,89.45 13.84,89.75 ; U19.5 90.05,89.45 ; 90.1,89.5 90.35,89.75
  Bottom w0.65: v1(60.25,39.63) 60.25,38.45 48.9,27.1 43.3,27.1 40.46,24.26 40.46,18.56 ; C54.1 C11.2 ; v1(63.1,51.8) C10.2 61.85,51.8 60.25,53.4 C49.2 v1(60.15,53.4) ; 32.53,77.75 30.44,77.75 30.41,77.72 ; 90.35,89.9 90.35,90.97 J9.4 ; v1(13.4,41.72) 14.97,41.72 15,41.75 ; C61.1 56.4,76.6 56.15,76.35 v1(55.12,76.35) ; C51.2 C15.2 ; C50.2 C17.2 ; C18.2 C55.1 ; 47.75,41.05 48,41.3 v1(48,43.19) ; C4.2 U2.5 ; C13.2 C56.1 ; 30.41,71.25 30.56,71.4 32.53,71.4 ; v1(83.42,34.39) 84.27,34.39 ; 27.38,80.9 17.17,91.11 17.17,92.23 ; 31.1,52.5 31.25,52.35 32.53,52.35 ; 13.85,89.91 13.85,90.98 J7.4 17.12,92.27 ; v1(15.24,77.75) 13.15,77.75 13.12,77.72 ; 30.41,69.77 30.44,69.75 32.53,69.75 ; 13.12,71.25 13.27,71.4 v1(15.24,71.4) C57.1 13.15,69.75 13.12,69.77 ; C12.2 C53.2 ; 15.16,46.6 14.75,47.01 14.75,48.65 14.27,49.12 C28.2 ; 15,33.95 C30.2 ; 36.45,41.05 36.28,41.22 v1(36.28,43.19) ; v1(32.54,71.4) C58.1 ; C48.2 C16.2 ; 13.9,52.5 14.05,52.35 v1(15.24,52.35) ; 42.45,41.05 U7.16 v1(42.3,42.3) 42.3,43.19 42.31,43.2 ; C52.2 v1(73.35,77.55) ; C62.1 84.84,15.84 ; 25,77.75 24.61,78.13
  Bottom w0.9: C33.2 C59.1 50.21,19.61 49.16,18.56 28.14,18.56 27,19.7 27,23 26.74,23.26 ; 47.75,41.05 31.6,41.05 27.15,45.5 25.7,45.5 ; C34.1 33.66,35.86 30.6,32.3 v1(28.6,32.3) ; v1(52.7,67.4) v1(54.7,67.4) ; C36.1 25.6,45.6 25.7,45.5 ; v1(52.7,68.2) v1(54.7,68.2) ; D4.2 64.33,90.47 63.4,91.4 D3.1 ; v1(52.7,69) v1(54.7,69) ; 30.41,77.72 30.41,53.19 31.1,52.5 ; 25.61,79.13 13.53,79.13 13.12,78.72 13.12,53.27 13.9,52.5 ; U1.3 23.35,23.55 23.94,24.14 C1.2 26.74,24.14 v1(26.75,24.15) ; 23.8,52.5 23.9,52.4 C60.1 ; 25.7,45.5 20.2,45.5 ; 30.44,77.75 25,77.75
  Bottom w1.4: 20.2,44 22.28,41.92 23.88,41.92 24.53,41.27 24.53,36.27 ; 20.2,46.6 15.16,46.6 15.16,28.24 16.47,26.93 25.97,26.93 26.74,26.16 26.74,23.26 ; 65.35,82.5 64.33,82.5
  Bottom w2: 63.46,84.79 61.96,83.29 51.09,83.29 ; 51.09,83.29 39.84,83.29 37.45,80.9 27.38,80.9 23.85,77.37 23.85,52.55 23.8,52.5 23.8,52.4 20.2,48.8 20.2,44 ; 51.09,83.29 51.09,76.69
  vias: v1(22.47,32.25) v1(24.53,37.8) v1(24.53,37) v1(24.53,36.2) v1(26.5,39.9) v1(26.75,23.25) v1(28.6,33.8) v1(48.25,74.55) v1(48.25,62.67) v1(48.65,51.8) v1(49.8,74.55) v1(49.8,62.65) v1(50.5,77.6) v1(50.5,76.8) v1(51.09,76.2) v1(51.7,77.6) v1(51.7,76.8) v1(55.12,77.9) v1(65.8,85.5) v1(66.65,85.95) v1(66.65,85.05) v1(67.3,57.7) v1(67.55,84.7) v1(68.2,76.2)
+12V: length 212
  Top w0.2: U11.1 10.29,41.72 11.65,40.37 v1(11.65,40.15) ; U8.1 10.29,49.12 11.65,47.77 v1(11.65,47.55)
  Top w0.4: 89.91,26.39 91.18,25.12 93.28,25.12 94.3,24.1 94.3,19.9 95.09,19.1 U17.8
  Top w0.65: 89.91,26.39 87.8,24.28 87.8,22.3 85.5,20 v1(74,20)
  In1.Cu w0.4: v1(82.5,80.2) 83.28,80.98 97.42,80.98 98.9,79.5 98.9,28.3 98.26,27.66 91.17,27.66 89.91,26.39
  In2.Cu w0.65: v1(11.65,40.15) 12.53,40.15 ; 12.53,40.15 12.53,47.55 v1(11.65,47.55) ; 12.53,40.15 12.53,29.27 14.7,27.1 16.6,27.1 25.05,18.65 72.25,18.65 73.6,20 v1(74,20)
  Bottom w0.2: v1(11.65,47.55) C43.2 ; v1(11.65,40.15) C42.2
  Bottom w0.4: C5.2 C3.1 R1.1
  Bottom w0.65: v1(82.5,80.2) 80.75,80.2 D1.1 C5.2
-12V: length 205.3
  Top w0.2: U11.10 11.27,35.88 v1(11.65,36.25) ; U8.10 11.27,43.27 v1(11.65,43.65)
  Top w0.4: U17.5 98.91,17.5 97.56,18.84 C74.2 95.15,20.69 v1(95.15,22.6)
  Top w0.65: v1(74.2,18.6) 87.19,18.6 89.91,21.31
  In1.Cu w0.4: v1(81.7,81.5) 83.77,83.57 95.73,83.57 99.5,79.8 99.5,25.69 96.41,22.6 91.19,22.6 89.91,21.31
  In2.Cu w0.65: v1(11.65,43.65) 10.3,43.65 10.3,36.25 ; 10.3,36.25 v1(11.65,36.25) ; 10.3,36.25 10.3,28.4 13,25.7 16,25.7 24.5,17.2 72.8,17.2 v1(74.2,18.6)
  Bottom w0.2: v1(11.65,36.25) C44.2 ; v1(11.65,43.65) C45.2
  Bottom w0.4: v1(81.7,81.5) 81.87,81.5 C9.1
  Bottom w0.65: C9.1 D6.2
GND: length 352.2
  Top w0.2: U4.188 75.01,67.55 ; 50.9,29.85 50.95,29.8 CON1.14 50.95,25.05 51.59,24.41 ; 50.9,29.85 51.6,29.85 ; 50.9,29.85 48.41,29.85 ; U4.65 v1(48.25,71.55) ; U15.7 v1(11.2,30.05) ; 51.6,29.85 51.59,29.84 CON1.39 51.59,24.41 ; 51.6,29.85 52.2,29.85 ; 45.87,24.4 CON1.10 45.87,29.85 ; 52.2,29.85 52.7,29.85 53.49,29.06 CON1.16 53.49,25.05 54.14,24.4 v1(54.14,23.6) 54.14,24.43 54.76,25.05 CON1.17 ; 52.2,29.85 52.22,29.83 CON1.15 52.22,25.05 51.59,24.41 ; U4.156 74.79,49.84 74.8,49.85 ; U4.94 v1(48,57.05) ; v1(21.35,25.2) 20.85,25.2 20.7,25.35 U16.16 ; 54.45,78.55 54.65,78.75 U4.40 ; U10.14 29.17,38.83 v1(29,39) ; v2(55.05,29.65) 55.79,30.39 R22.2 ; U4.31 v1(59.15,78.3) ; U10.61 26.98,31.78 v1(26.96,31.8) ; U4.169 v2(75.31,58.05) ; 45.87,29.85 46.8,29.85 ; 45.87,29.85 44.6,29.85 ; v1(48.07,77.82) 48.07,77.88 ; 43.33,24.42 CON1.8 43.33,28.93 44.25,29.85 44.6,29.85 ; 44.6,29.85 CON1.9 44.6,24.4 ; U4.52 48.65,78.45 v1(48.62,78.42) ; 46.8,29.85 47.14,29.85 CON1.11 ; 46.8,29.85 48.41,29.85 ; 62.03,51.32 62.15,51.2 U4.132 ; 51.59,24.41 51.59,23.71 v1(51.58,23.7) ; U4.104 46.44,51.46 46.6,51.3 ; v1(20.48,33.8) 20.45,33.83 U10.45 ; U4.81 47.55,63.55 47.6,63.6 ; U4.118 55.15,50.9 ; 48.41,29.85 v1(48.41,29.29) CON1.12 ; U4.208 v1(75.05,77.55) ; U10.28 v1(22.98,40.38) ; U4.121 56.65,51.02 ; U4.161 v2(75.31,54.05) ; U4.8 70.65,78.55
  Top w0.4: v1(56.05,37.05) 55.41,37.68 55.07,37.68 55.07,38.81 C69.2 ; v1(20.3,52.35) v1(21.15,52.35) U12.22 ; CON1.50 65.56,24.44 ; v1(48.62,78.42) 48.62,78.38 ; v1(34.42,24.32) 34.44,24.34 CON1.1 ; v1(34.42,24.32) v1(34.88,23.7) ; v1(34.42,24.32) v1(33.97,23.7) ; 76.2,97.3 77.2,97.3 J1.6 J1.6 70.2,97.3 71.2,97.3 ; 76.2,97.3 74.7,97.3 ; 76.2,97.3 J1.6 ; 72.7,97.3 72.4,97.3 J1.5 J1.6 71.2,97.3 ; 72.7,97.3 74.7,97.3 ; 72.7,97.3 71.2,97.3 ; 72.7,97.3 J1.6 ; v1(74.88,50.5) 74.88,49.92 74.8,49.85 ; 43.7,45.7 43.45,45.95 U6.8 ; U13.29 41.38,61.27 v1(42.05,60.6) 42.6,60.05 v1(42.6,60) ; U12.37 21.45,71.4 v1(21.4,71.45) v1(20.55,71.45) ; v1(42.2,52.28) 42.1,52.38 U13.22 38.8,52.38 v1(38.7,52.28) ; U12.42 v1(21.2,77.75) 20.45,77.75 v1(20.42,77.77) ; 48.26,71.56 v1(48.25,71.55) ; v1(20.07,61.47) v1(20.9,61.47) 21.13,61.24 U12.29 ; 74.7,97.3 J1.6 ; v2(45.8,24.31) 45.87,24.38 45.87,24.4 ; X1.2 v1(62.35,41.35) ; 50.92,37.68 50.92,38.81 v1(50.1,39.64) ; v1(73.2,36.95) v1(72.35,36.95) 72.34,36.94 U14.16 ; v1(65.09,23.8) v1(65.54,24.42) v1(65.99,23.8) ; 96.92,12.88 v1(96.9,12.9) ; U17.3 97.63,12.86 v1(97.62,12.88) ; v1(37.82,71.42) v1(38.65,71.42) 38.66,71.43 U13.37 ; v2(44.6,24.3) 44.6,24.4 44.6,24.4 ; 74.79,49.84 74.88,49.75 v1(74.88,49.2) ; v1(34.05,34.15) 34.06,34.14 34.06,32.52 ; v2(43.35,24.3) 43.35,24.4 43.33,24.42 ; v1(37.92,77.8) v1(38.72,77.8) 38.75,77.78 U13.42 ; 55.15,50.9 54.83,51.22
  Top w0.65: v1(60.15,51.8) 61.55,51.8 62.03,51.32 62.03,51.88 61.85,52.05 v1(61.85,53.4) ; v1(48.07,77.82) v1(49.17,77.82) 48.62,78.38 ; 47.6,63.6 48.26,64.26 v1(48.26,64.4) ; v1(60.3,76.6) 60.3,77.15 v1(59.7,77.75) v1(59.15,78.3) ; 96.92,12.88 v1(97.62,12.88) v1(98.4,12.88) ; v1(72.69,66.86) v1(74.32,66.86) 75.01,67.55 75.01,69.04 v1(74.32,69.73) v1(72.69,69.73) ; v1(53.39,77.9) 53.42,77.9 v1(54.2,77.12) 53.42,76.35 v1(53.39,76.35) v1(53.39,77.9) ; v1(53.39,77.9) 53.39,77.99 53.9,78.5 54.45,78.5 ; 54.65,51.22 53.43,51.22 v1(52.85,51.8) ; 56.65,51.02 56.65,51.4 v1(57.05,51.8) 56.12,52.72 v1(56.12,52.75) ; v1(68.2,77.3) v1(68.2,78.48) 70.55,78.48 70.57,78.5 ; 48.26,71.56 v1(48.26,72.78) v1(49.8,72.78) 48.57,71.55 v1(48.25,71.55) ; v1(48.26,64.4) v1(49.79,64.4) 49.79,64.58 v1(49.03,65.35) 48.26,64.58 v1(48.26,64.4) ; 48.07,77.88 v1(48.62,78.42) ; v1(75.05,77.55) v1(74.25,77.55) ; 46.6,51.05 46.6,51.3 47.25,51.3 v1(47.85,50.7) v1(46.95,50.7) 46.6,51.05 ; 48.05,57.05 v1(48.6,56.5) v1(48.6,57.6) 48.55,57.6 v1(48,57.05) 48.05,57.05
  Top w0.9: v1(61.3,85) 61.4,85.5 ; v1(61.3,85) v1(60.7,85.4) v1(61.3,85.9) C6.2 v1(61.3,85) ; CON1.S1 28.89,5.49 ; J1.6 J6.0 ; C74.1 97,23.85 97.53,24.38 J2.2 ; v1(22.3,25.2) 22.45,25.2 22.7,25.45 U16.15 ; CON1.S2 71.11,5.49
  Top w1.4: C6.2 63.2,88.3
  Top w2: 63.2,88.3 63.22,88.31 J6.0
  In1.Cu w0.4: J6.10 55.87,94.93 ; J2.40 96.38,73.5 96.38,73.26 J2.38 ; J6.6 J6.8
  Bottom w0.2: v1(68.2,77.3) 68.14,77.24 67.41,77.24 66.6,76.43 RN6.1 RN6.4 ; Q1.3 v1(7.45,8.65) ; R19.2 5.94,7.78 v1(5.95,7.78) ; C67.1 v1(37.85,35.45)
  Bottom w0.4: C63.2 14.51,96.07 J7.0 8.99,96.07 C64.2 ; v1(44.9,33.55) 44.95,33.6 C70.2 ; 48.23,22.37 47.12,22.37 v1(47.1,22.35) ; 48.23,22.37 C59.2 v1(46.92,21.38) ; 48.23,22.37 C33.1 v1(47.22,23.17) ; 23.87,49.4 C36.2 v1(22.71,47.31) 21.93,47.31 v1(21.92,47.3) ; D5.1 87.7,81.62 v1(87.7,81.82) ; D5.1 86.15,81.62 v1(86.15,81.82) ; D5.1 v1(86.92,81.85) ; C21.1 v1(34.28,77.75) ; 53.39,77.14 53.41,77.12 v1(54.2,77.12) ; v1(82.9,16.75) 82.89,16.74 Q2.2 ; C20.1 v1(16.95,77.75) ; J6.0 65.9,95 66.11,95.21 R4.2 ; v1(34.05,34.15) C34.2 ; 35.2,82.6 C32.1 ; C65.2 91.01,96.07 J9.0 85.49,96.07 C66.2 ; v1(62.35,41.35) 62.35,41.35 C31.1 60.95,41.35 ; 21.92,47.46 21.92,47.46 21.92,47.45 ; Q2.2 v1(81.95,15.4) ; Q2.2 81.95,17.99 C62.2 84.66,20.7 C72.2 84.66,21.89 v1(84.65,21.9) ; C4.1 82.64,88 v1(83,88) ; C4.1 v1(83,88.8) ; C4.1 82.64,89.6 v1(83,89.6) ; C71.2 47.05,36.47 v1(47.07,36.45) ; C23.1 v1(34.28,52.35)
  Bottom w0.65: v1(47.85,50.7) v1(46.95,50.7) 46.94,50.71 C15.1 C51.1 ; v1(26.5,38.15) v1(29,39) ; C25.1 v1(84.3,31.02) ; 27.8,52.38 27.82,52.4 C60.2 27.84,51.31 v1(27.85,51.3) ; v1(59.15,78.3) 60.3,77.15 v1(60.3,76.6) ; v1(82.3,83.6) C9.2 v1(82.3,84.4) ; v1(76.8,87.1) v1(76.8,86.05) 76.8,85.15 v1(77.9,84.05) C5.1 77.9,84.02 v1(77.06,84.86) ; v1(74.88,50.5) v1(74.88,49.2) ; v1(34.26,71.4) C58.2 ; C11.1 C54.2 ; v1(20.48,33.8) v1(22.5,34) ; C57.2 v1(16.96,71.4) ; v1(53.39,77.9) 53.39,76.35 C56.2 ; 35.2,82.6 v1(33.14,82.6) 33.14,82.6 ; C16.1 74.32,66.86 v1(72.69,66.86) ; C40.2 v1(22.98,40.38) ; v1(26.96,31.8) 26.82,31.94 C26.1 ; C19.1 v1(16.97,52.35) ; C50.1 C17.1 ; C18.1 C55.2
  Bottom w0.9: 23.6,14.3 v1(22.1,14.3) C2.2
  Bottom w1.4: J6.0 61.4,93.19 61.4,89.58 D4.1
  vias: v1(11.65,49.12) v1(11.62,41.72) v1(11.64,33.94) v1(13.4,47.55) v1(13.4,43.65) v1(13.4,40.15) v1(13.4,36.25) v1(13.4,32.41) v1(17.25,21.2) v1(18.1,21.6) v1(18.1,20.75) v1(18.95,21.2) v1(20.6,14.3) v1(22.7,38.8) v1(23.87,49.4) v1(24.42,13.2) v1(24.42,11.8) v1(25.6,11.8) v1(25.7,20.6) v1(25.7,19.8) v1(26.8,33.8) v1(27.85,52.15) v1(34.14,82.6) v1(35.23,82.6) v1(36.28,44.94) v1(44.07,43.21) v1(46.15,43.2) v1(53,43.4) v1(60.25,41.35) v1(61.35,41.35) v2(25.8,6.4) v2(25.8,4.5) v2(74.1,6.4) v2(74.1,4.5)
+BATT: length 56.5
  Top w0.2: U4.110 51.15,51.05
  Top w0.4: v1(42.7,79.2) 26.8,79.2 v1(23.3,82.7) ; 51.15,51.05 v1(51.15,51.8)
  In2.Cu w0.4: v1(51.15,51.8) 47,55.95 47,77.5 45.3,79.2 v1(42.7,79.2)
  Bottom w0.4: D2.3 v1(23.3,82.7)
/0x2E8: length 14.2
  Top w0.2: v2(29.12,35.85) 29.12,35.81 29.6,35.33 U10.7 ; v2(38.6,39.8) 39.05,40.25 U7.11
  In2.Cu w0.2: v2(29.12,35.85) 30.01,36.73 35.58,36.73 38.4,39.55 38.4,39.6 v2(38.6,39.8)
